# KiCad board EVT-PCB.kicad_pcb (continued)
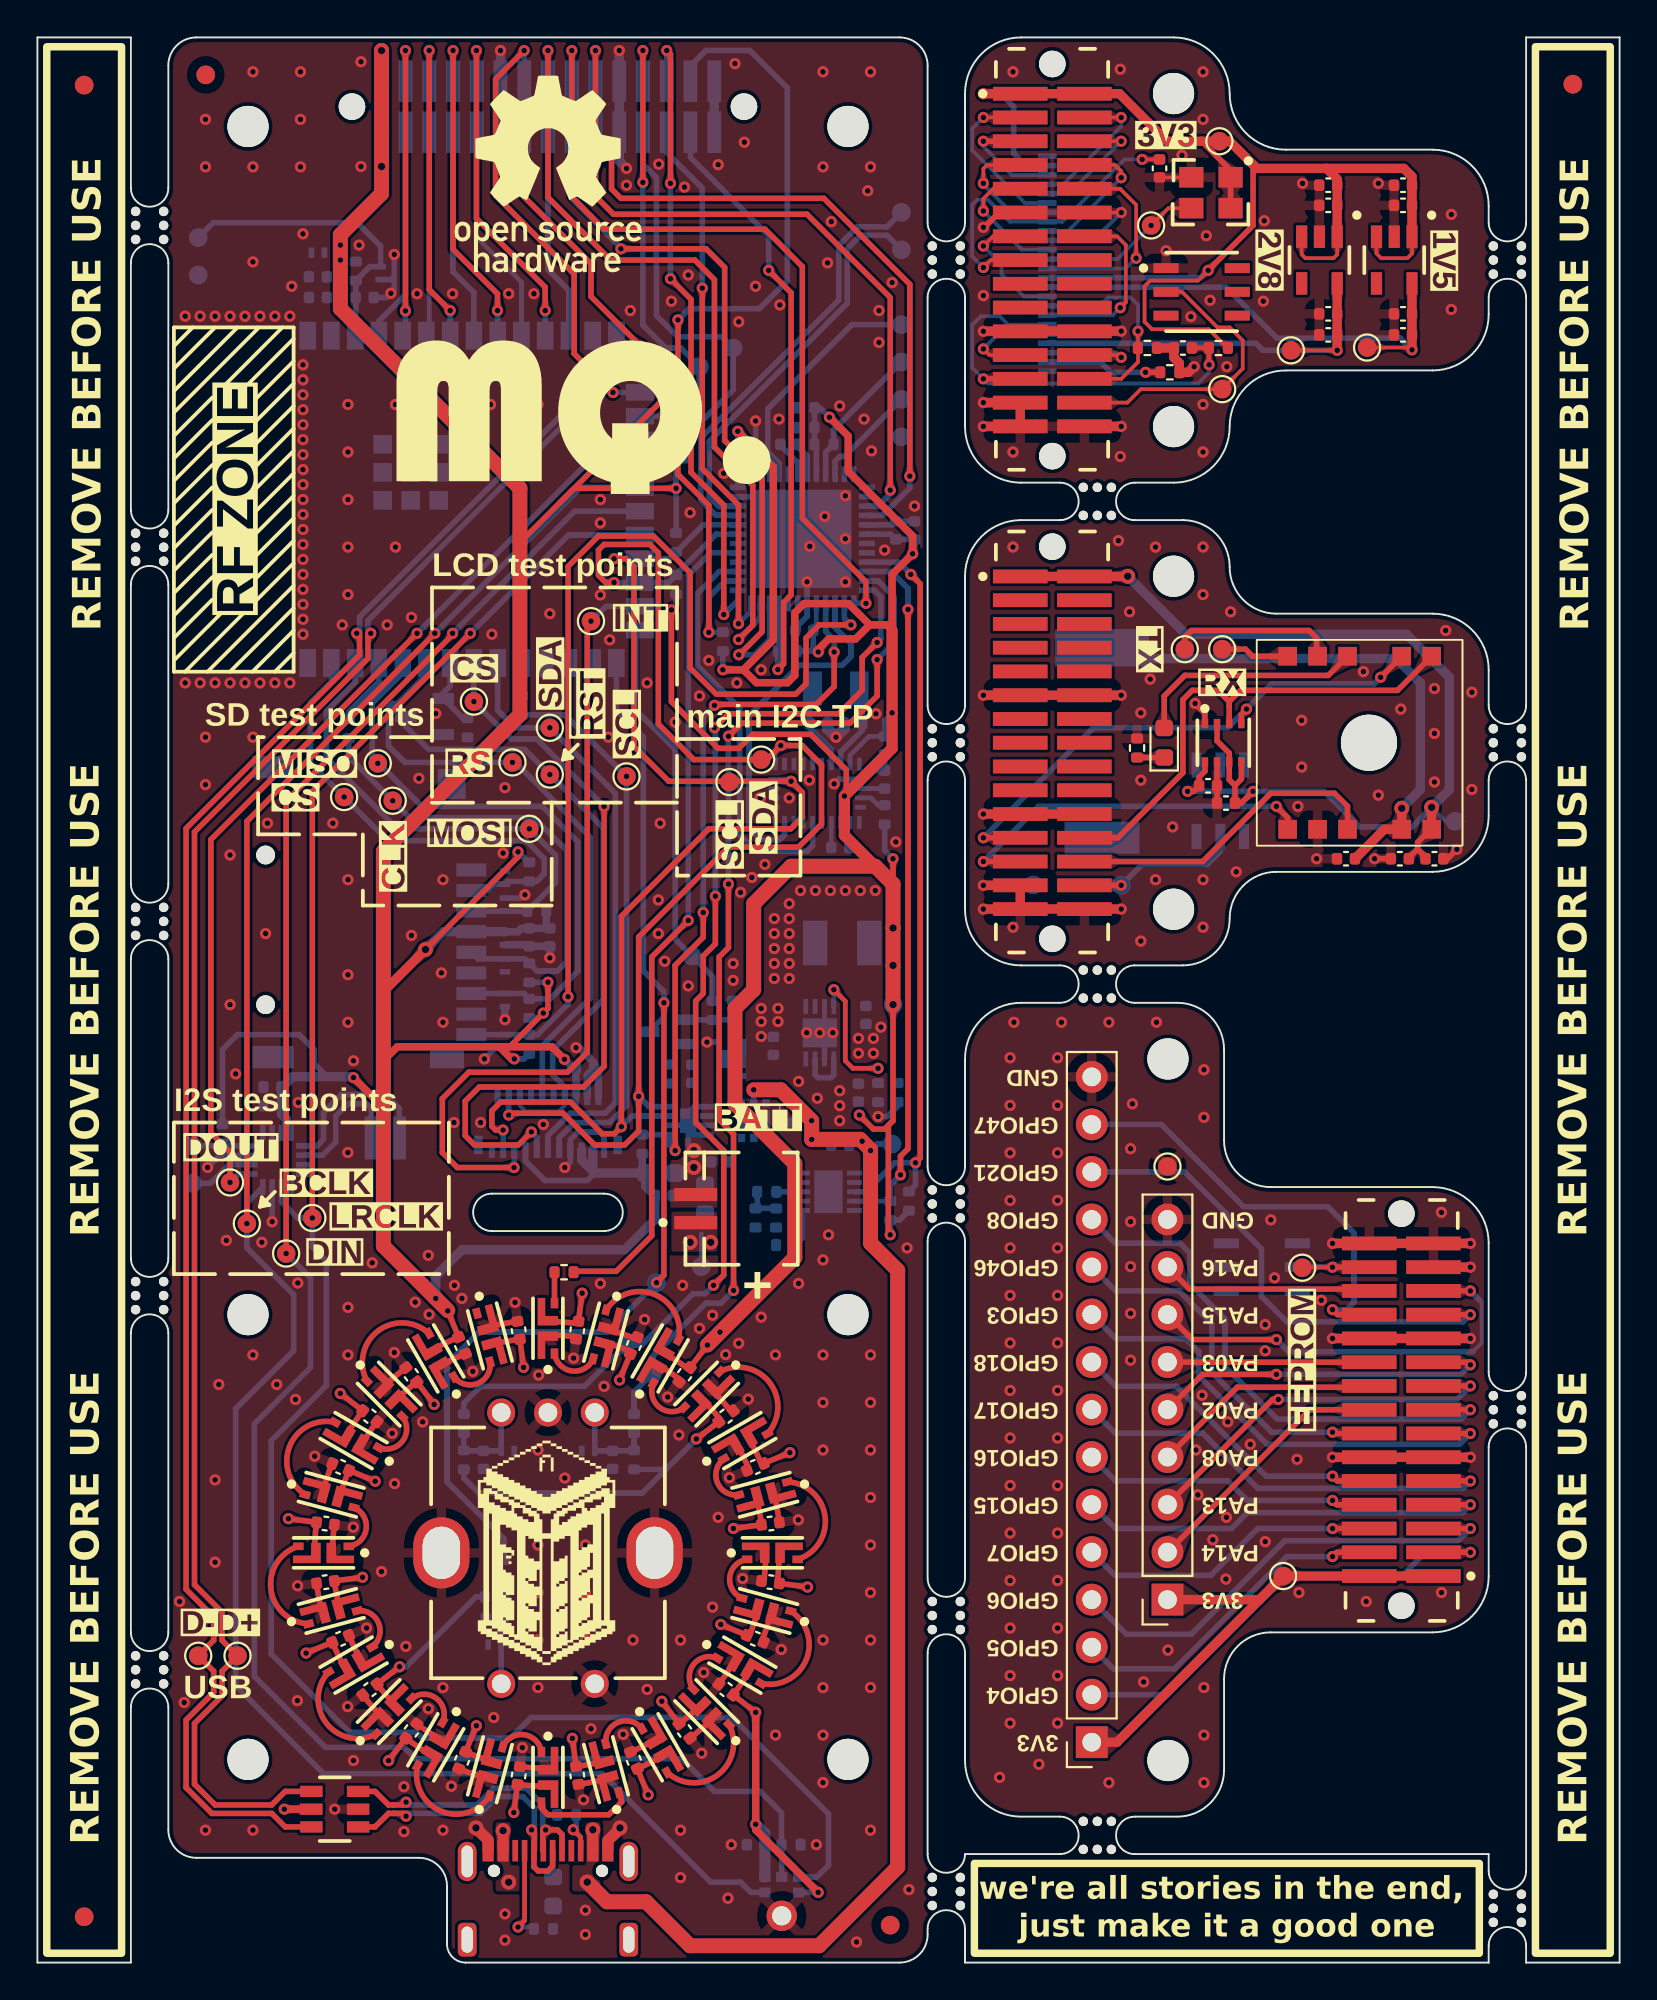
[diagram p0: board, top side]
## Library data of the parts
C201-C203 C301 C302 C304 C305 C401-C403 C501-C534 C601 C701 C703 C705 C801-C805 C901 C902 C1001 C1002 C1101-C1110 C1201-C1203 C1205 C1206 = -: Description: Unpolarized capacitor; ki_fp_filters: C_*
C303 = -: Datasheet: https://search.murata.co.jp/Ceramy/image/img/A01X/G101/ENG/GRM188R60J106ME47-01.pdf; Description: CAP CER 10UF 6.3V X5R 0603; Part Number: GRM188R60J106ME47D; MQ PN: TFGC001
C1204 = -: Datasheet: https://mm.digikey.com/Volume0/opasdata/d220001/medias/docus/875/DS%2CDSK.pdf; Description: CAP 220MF -20% +80% 3.3V SMD; MQ PN: TFGC002
D201 D202 D525-D527 D901-D906 = -: Datasheet: https://www.diodes.com/assets/Datasheets/DESD3V3S1BL.pdf; Description: TVS DIODE 3.3VWM 7VC DFN1006-2; MQ PN: TFGD004; ki_fp_filters: X1-DFN1006-2_RH_DIO X1-DFN1006-2_RH_DIO-M X1-DFN1006-2_RH_DIO-L
D301 = -: Datasheet: https://www.st.com/content/ccc/resource/technical/document/datasheet/06/1d/48/9c/6c/20/4a/b2/CD00050750.pdf/files/CD00050750.pdf/jcr:content/translations/en.CD00050750.pdf; Description: TVS DIODE 5.25VWM 17VC SOT23-6; MQ PN: TFGD006
D302 = -: Datasheet: https://www.onsemi.com/pdf/datasheet/bat54cwt1-d.pdf; Description: DIODE ARR SCHOT 30V 200MA SC70-3; MQ PN: TFGD005
D501-D524 = -: Datasheet: https://cdn-shop.adafruit.com/product-files/4892/4892_SK68XX-EC3210F__REV.A.pdf; MQ PN: TFGD001
D1201 = -: Description: Light emitting diode; ki_fp_filters: LED* LED_SMD:* LED_THT:*
E501 = -: Datasheet: https://www.bourns.com/docs/product-datasheets/pec11r.pdf?sfvrsn=bb617cbf_12; Description: ROTARY ENCODER MECHANICAL 24PPR; MQ PN: TFGE001
FID101-FID110 = -: Description: Fiducial Marker; ki_fp_filters: Fiducial*
H101-H106 H1101 H1102 H1201 H1202 H1301 H1302 = -: Description: Mounting Hole without connection; ki_fp_filters: MountingHole*
IC501 = -: Datasheet: https://ww1.microchip.com/downloads/en/DeviceDoc/SAM-D21-DA1-Family-Data-Sheet-DS40001882H.pdf; Description: IC MCU 32BIT 256KB FLASH 48QFN; MQ PN: TFGIC015
J101 = -: Datasheet: https://mm.digikey.com/Volume0/opasdata/d220001/medias/docus/6129/sfc-1xx-xx-xx-d-xx-mkt.pdf; Description: CONN RCPT 30POS 0.05 GOLD SMD; MQ PN: TFGJ006
J301 = -: Datasheet: https://mm.digikey.com/Volume0/opasdata/d220001/medias/docus/5492/USB4105.pdf; Description: CONN RCP USB2.0 TYP C 24P SMD RA; MQ PN: TFGJ004
J401 J1001 = -: Datasheet: https://www.jst-mfg.com/product/pdf/eng/eZH.pdf; Description: CONN HEADER SMD R/A 2POS 1.5MM; MQ PN: TFGJ009
J701 = -: Datasheet: https://www.te.com/usa-en/product-2-2328724-1.datasheet.pdf; Description: CONN FPC BOTTOM 21POS 0.3MM R/A; MQ PN: TFGJ002; ki_fp_filters: CONN21_2-2328724-1_TEC
J901 = -: Datasheet: https://www.cuidevices.com/product/resource/msd-1-a.pdf; Description: MICRO SD CARD CONNECTOR, 9 POSIT; MQ PN: TFGJ003
J1101 J1201 J1303 = -: Datasheet: https://suddendocs.samtec.com/catalog_english/tfc.pdf; Description: CONN HEADER SMD 30POS 1.27MM; MQ PN: TFGJ005
J1302 = -: Description: Generic connector, single row, 01x09, script generated (kicad-library-utils/schlib/autogen/connector/); ki_fp_filters: Connector*:*_1x??_*
J1304 = -: Description: Generic connector, single row, 01x15, script generated (kicad-library-utils/schlib/autogen/connector/); ki_fp_filters: Connector*:*_1x??_*
L301 = -: Datasheet: https://search.murata.co.jp/Ceramy/image/img/P02/JELF243A-0190.pdf; Description: FIXED IND 1.0UH 4300MA NONAUTO; Part Number: LQH44PN1R0MPRL; MQ PN: TFGL001; ki_fp_filters: IND_LQH44PN_PR_MUR IND_LQH44PN_PR_MUR-M IND_LQH44PN_PR_MUR-L
M601 = -: Datasheet: https://invensense.tdk.com/wp-content/uploads/2016/02/DS-000069-ICS-43434-v1.2.pdf?ref_disty=digikey; Description: MICROPHONE MEMS DIGITAL I2S OMNI; MQ PN: TFGM001
Q101 = -: Datasheet: https://www.diodes.com/assets/Datasheets/BSS138.pdf; Description: MOSFET N-CH 50V 200MA SOT23-3; MQ PN: TFGQ004
Q301 = -: Datasheet: https://www.vishay.com/docs/64162/sia527dj.pdf; Description: MOSFET N/P-CH 12V 4.5A SC70-6; MQ PN: TFGQ003
R101-R105 R107-R110 R201 R301-R306 R308 R309 R401-R407 R501-R508 R601 R801 R901-R905 R1001 R1101-R1103 R1201 = -: Description: Resistor; ki_fp_filters: R_*
TP101-TP123 TP201 TP202 TP301 TP401 TP501-TP508 TP1001 TP1002 TP1101-TP1104 TP1108 TP1202-TP1204 TP1209 TP1210 TP1301-TP1303 = -: Description: test point; ki_fp_filters: Pin* Test*
U201 = -: Datasheet: https://www.espressif.com/sites/default/files/documentation/esp32-s3-wroom-2_datasheet_en.pdf; Description: 32 MB Octal flash & 8 MB Octal PSRAM; MQ PN: TFGU002
U301 = -: Datasheet: http://www.onsemi.com/pub/Collateral/NTLJF3117P-D.PDF; Description: MOSFET P-CH 20V 2.3A 6WDFN; MQ PN: TFGQ001
U302 = -: Datasheet: https://www.onsemi.com/pdf/datasheet/ncp6324-d.pdf; Description: IC REG BUCK ADJ 2A 8WDFN; MQ PN: TFGIC002; ki_fp_filters: WDFN8_2X2_ONS WDFN8_2X2_ONS-M WDFN8_2X2_ONS-L
U401 = -: Datasheet: https://www.analog.com/MAX17048/datasheet; Description: IC BATT MON LI-ION 1CELL 8TDFN; MQ PN: TFGIC013
U402 = -: Datasheet: https://ww1.microchip.com/downloads/en/DeviceDoc/22005b.pdf; Description: IC BATT CONTRL LI-ION 1CEL 10DFN; MQ PN: TFGIC001
U801 = -: Datasheet: https://www.ceva-ip.com/wp-content/uploads/2019/10/BNO080_085-Datasheet.pdf; Description: IMU ACCEL/GYRO/MAG I2C 32BIT; MQ PN: TFGIC004
U1001 = -: Datasheet: https://datasheets.maximintegrated.com/en/ds/MAX98357A-MAX98357B.pdf; Description: IC AMP CLASS D MONO 3.2W 16TQFN; MQ PN: TFGIC005
U1101 = -: Datasheet: https://www.ti.com/lit/ds/symlink/tlv743p.pdf?HQS=dis-dk-null-digikeymode-dsf-pf-null-wwe&ts=1710761150043&ref_url=https%253A%252F%252Fwww.ti.com%252Fgeneral%252Fdocs%252Fsuppproductinfo.tsp%253FdistId%253D10%2526gotoUrl%253Dhttps%253A%252F%252Fwww.ti.com%252Flit%252Fgpn%252Ftlv743p; Description: IC REG LINEAR 2.8V 300MA SOT23-5; MQ PN: TFGIC007
U1102 = -: Datasheet: https://cdn-learn.adafruit.com/assets/assets/000/118/306/original/ov5640_datasheet.pdf?1675869959; Description: OV5640 5M SENSOR, AUTO FOCUSING; MQ PN: TFGIC006
U1103 = -: Datasheet: https://www.ti.com/general/docs/suppproductinfo.tsp?distId=10&gotoUrl=https%3A%2F%2Fwww.ti.com%2Flit%2Fgpn%2Ftlv743p; Description: IC REG LINEAR 1.5V 300MA SOT23-5; MQ PN: TFGIC008
U1104 U1203 U1301 = -: Datasheet: https://www.analog.com/media/en/technical-documentation/data-sheets/DS28E07.pdf; Description: IC EEPROM 1KBIT 1-WIRE 6TSOC; MQ PN: TFGIC003; ki_fp_filters: 21-0382_D6+1_MXM 21-0382_D6+1_MXM-M 21-0382_D6+1_MXM-L
U1201 = -: Datasheet: https://cdn-learn.adafruit.com/assets/assets/000/084/295/original/CD_PA1010D_Datasheet_v.03.pdf?1573833002; Description: GPS; MQ PN: TFGIC009
U1202 = -: Datasheet: https://www.bosch-sensortec.com/media/boschsensortec/downloads/datasheets/bst-bme280-ds002.pdf; Description: SENSOR PRESSURE HUMIDITY TEMP; MQ PN: TFGIC010
X801 = -: Datasheet: http://www.txccrystal.com/images/pdf/9ht10.pdf; Description: CRYSTAL 32.7680KHZ 12.5PF SMD; MQ PN: TFGX001
X1101 = -: Datasheet: https://abracon.com/Oscillators/ASEseries.pdf; Description: XTAL OSC XO 24.0000MHZ CMOS SMD; MQ PN: TFGX002

## Footprints (pads in the part's own frame, mm; a bottom-side part is the same pattern mirrored in y, then rotated)
2-2328724-1
  rect 0.33x0.838 smd: 1(3,1.104) 2(2.7,-1.721) 3(2.4,1.104) 4(2.1,-1.721) 5(1.8,1.104) 6(1.5,-1.721) 7(1.2,1.104) 8(0.9,-1.721) 9(0.6,1.104) 10(0.3,-1.721) 11(0,1.104) 12(-0.3,-1.721) 13(-0.6,1.104) 14(-0.9,-1.721) 15(-1.2,1.104) 16(-1.5,-1.721) 17(-1.8,1.104) 18(-2.1,-1.721) 19(-2.4,1.104) 20(-2.7,-1.721) 21(-3,1.104)
  rect 0.457x0.991 smd: 22(3.725,0.828) 23(-3.725,0.828)
9HT1032768KEZFT
  rect 1x1.8 smd: 1(-1.25,0) 2(1.25,0)
ASE24576MHZLCT
  rect 1.3x1.1 smd: 1(-1.05,-0.825) 2(1.05,-0.825) 3(1.05,0.825) 4(-1.05,0.825)
ATSAMD21G18A-MUT
  rect 0.85x0.3 smd: 1(-3.45,2.75) 2(-3.45,2.25) 3(-3.45,1.75) 4(-3.45,1.25) 5(-3.45,0.75) 6(-3.45,0.25) 7(-3.45,-0.25) 8(-3.45,-0.75) 9(-3.45,-1.25) 10(-3.45,-1.75) 11(-3.45,-2.25) 12(-3.45,-2.75) 25(3.45,-2.75) 26(3.45,-2.25) 27(3.45,-1.75) 28(3.45,-1.25) 29(3.45,-0.75) 30(3.45,-0.25) 31(3.45,0.25) 32(3.45,0.75) 33(3.45,1.25) 34(3.45,1.75) 35(3.45,2.25) 36(3.45,2.75)
  rect 0.3x0.85 smd: 13(-2.75,-3.45) 14(-2.25,-3.45) 15(-1.75,-3.45) 16(-1.25,-3.45) 17(-0.75,-3.45) 18(-0.25,-3.45) 19(0.25,-3.45) 20(0.75,-3.45) 21(1.25,-3.45) 22(1.75,-3.45) 23(2.25,-3.45) 24(2.75,-3.45) 37(2.75,3.45) 38(2.25,3.45) 39(1.75,3.45) 40(1.25,3.45) 41(0.75,3.45) 42(0.25,3.45) 43(-0.25,3.45) 44(-0.75,3.45) 45(-1.25,3.45) 46(-1.75,3.45) 47(-2.25,3.45) 48(-2.75,3.45)
  rect 5.25x5.25 smd: 49(0,0)
BAT54CWT1G
  rect 1.15x0.55 smd: A1(-1,0.65) A2(-1,-0.65) K(1,0)
BME280
  rect 0.5x0.35 smd: 1(1.025,0.975) 2(1.025,0.325) 3(1.025,-0.325) 4(1.025,-0.975) 5(-1.025,-0.975) 6(-1.025,-0.325) 7(-1.025,0.325) 8(-1.025,0.975)
BNO085
  rect 0.675x0.25 smd: 1(1.563,2.25) 6(-1.563,2.25) 7(-1.563,1.75) 8(-1.563,1.25) 9(-1.563,0.75) 10(-1.563,0.25) 11(-1.563,-0.25) 12(-1.563,-0.75) 13(-1.563,-1.25) 14(-1.563,-1.75) 15(-1.563,-2.25) 20(1.563,-2.25) 21(1.563,-1.75) 22(1.563,-1.25) 23(1.563,-0.75) 24(1.563,-0.25) 25(1.563,0.25) 26(1.563,0.75) 27(1.563,1.25) 28(1.563,1.75)
  rect 0.25x0.575 smd: 2(0.75,2.313) 3(0.25,2.313) 4(-0.25,2.313) 5(-0.75,2.313) 16(-0.75,-2.313) 17(-0.25,-2.313) 18(0.25,-2.313) 19(0.75,-2.313)
BSS138-7-F
  rect 1.15x0.6 smd: D(1.1,0) G(-0.9,0.96) S(-0.9,-0.96)
C_0402_1005Metric
  rrect 0.56x0.62 smd: 1(-0.48,0) 2(0.48,0)
C_0603_1608Metric
  rrect 0.9x0.95 smd: 1(-0.775,0) 2(0.775,0)
DESD3V3S1BL-7B
  rect 0.305x0.559 smd: 1(-0.348,0) 2(0.348,0)
DS28E07P+
  rect 1.346x0.533 smd: 1(-1.905,1.27) 2(-1.905,0) 3(-1.905,-1.27) 4(1.905,-1.27) 5(1.905,0) 6(1.905,1.27)
DSK-3R3H224U-HL
  rect 5x2 smd: 1(0,5.075)
  rect 4x1.7 smd: 2(0,-5.075)
ESP32-S3-WROOM-2
  rect 1.499x0.889 smd: 1(-8.75,0) 2(-8.75,-1.27) 3(-8.75,-2.54) 4(-8.75,-3.81) 5(-8.75,-5.08) 6(-8.75,-6.35) 7(-8.75,-7.62) 8(-8.75,-8.89) 9(-8.75,-10.16) 10(-8.75,-11.43) 11(-8.75,-12.7) 12(-8.75,-13.97) 13(-8.75,-15.24) 14(-8.75,-16.51) 27(8.75,-16.51) 28(8.75,-15.24) 29(8.75,-13.97) 30(8.75,-12.7) 31(8.75,-11.43) 32(8.75,-10.16) 33(8.75,-8.89) 34(8.75,-7.62) 35(8.75,-6.35) 36(8.75,-5.08) 37(8.75,-3.81) 38(8.75,-2.54) 39(8.75,-1.27) 40(8.75,0)
  rect 0.889x1.499 smd: 15(-6.985,-17.76) 16(-5.715,-17.76) 17(-4.445,-17.76) 18(-3.175,-17.76) 19(-1.905,-17.76) 20(-0.635,-17.76) 21(0.635,-17.76) 22(1.905,-17.76) 23(3.175,-17.76) 24(4.445,-17.76) 25(5.715,-17.76) 26(6.985,-17.76)
  rect 0.991x0.991 smd: 41(-2.94,-7.004) 41(-2.94,-5.504) 41(-2.94,-4.004) 41(-1.44,-7.004) 41(-1.44,-5.504) 41(-1.44,-4.004) 41(0.06,-7.004) 41(0.06,-5.504) 41(0.06,-4.004)
FD5640
  rect 2x1.3 smd: (-8.05,-15) (8.05,-15)
  rect 7.5x7.5 smd: (0,0)
  rect 0.3x1 smd: 1(-5.95,-17.7) 2(-5.45,-17.7) 3(-4.95,-17.7) 4(-4.45,-17.7) 5(-3.95,-17.7) 6(-3.45,-17.7) 7(-2.95,-17.7) 8(-2.45,-17.7) 9(-1.95,-17.7) 10(-1.45,-17.7) 11(-0.95,-17.7) 12(-0.45,-17.7) 13(0.05,-17.7) 14(0.55,-17.7) 15(1.05,-17.7) 16(1.55,-17.7) 17(2.05,-17.7) 18(2.55,-17.7) 19(3.05,-17.7) 20(3.55,-17.7) 21(4.05,-17.7) 22(4.55,-17.7) 23(5.05,-17.7) 24(5.55,-17.7)
Fiducial_1mm_Mask2mm
  round 1 smd: (0,0)
ICS-43434
  rect 0.522x0.6 smd: 1(-1.364,-0.9) 2(-0.542,-0.9) 4(-0.542,0.9) 5(-1.364,0.9) 6(-1.364,0)
  round 1.625 hole 1.025: 3(0.71,0)
LED_0603_1608Metric
  rrect 0.875x0.95 smd: 1(-0.787,0) 2(0.787,0)
LQH44PN1R0MPRL
  rect 1.295x2.388 smd: 1(-1.448,0) 2(1.448,0)
MAX17048G+T10
  rect 0.75x0.3 smd: 1(-1,0.75) 2(-1,0.25) 3(-1,-0.25) 4(-1,-0.75) 5(1,-0.75) 6(1,-0.25) 7(1,0.25) 8(1,0.75)
  rect 0.9x1.3 smd: 9(0,0)
MAX98357AETE+T
  rect 1.25x1.25 smd: (0,0)
  rect 0.85x0.3 smd: 1(-1.45,0.75) 2(-1.45,0.25) 3(-1.45,-0.25) 4(-1.45,-0.75) 9(1.45,-0.75) 10(1.45,-0.25) 11(1.45,0.25) 12(1.45,0.75)
  rect 0.3x0.85 smd: 5(-0.75,-1.45) 6(-0.25,-1.45) 7(0.25,-1.45) 8(0.75,-1.45) 13(0.75,1.45) 14(0.25,1.45) 15(-0.25,1.45) 16(-0.75,1.45)
MCP73833T
  rect 0.813x0.254 smd: 1(-1.397,1) 2(-1.397,0.5) 3(-1.397,0) 4(-1.397,-0.5) 5(-1.397,-1) 6(1.397,-1) 7(1.397,-0.5) 8(1.397,0) 9(1.397,0.5) 10(1.397,1)
  rect 1.524x2.286 smd: 11(0,0)
MountingHole_2.2mm_M2
  round 2.2 hole 2.2 unplated: (0,0)
mouse-bite-2mm-slot
  round 0.5 hole 0.5 unplated: (-0.75,0.75) (-0.75,-0.75) (0,0.75) (0,-0.75) (0.75,0.75) (0.75,-0.75)
MSD1A
  round 1 hole 1 unplated: (-4.95,-3.5) (3.05,-3.5)
  rect 0.7x1.6 smd: 1(2.25,7.5) 2(1.15,7.5) 3(0.05,7.5) 4(-1.05,7.5) 5(-2.15,7.5) 6(-3.25,7.5) 7(-4.35,7.5) 8(-5.45,7.5) CD1(-6.55,7.5)
  rect 1.2x2.2 smd: MP1(7.75,-3.1) MP2(-7.75,-3.1)
  rect 1.6x1.5 smd: MP3(6.85,6.45)
  rect 1.2x1.8 smd: MP4(-7.75,6.2)
NCV6324BMTAATBG
  rect 0.813x0.254 smd: 1(-1.397,0.75) 2(-1.397,0.25) 3(-1.397,-0.25) 4(-1.397,-0.75) 5(1.397,-0.75) 6(1.397,-0.25) 7(1.397,0.25) 8(1.397,0.75)
  rect 1.549x1.829 smd: 9(0,0)
NTLJF3117PT1G
  rect 0.39x0.45 smd: 1(-0.65,-0.925) 2(0,-0.925) 3(0.65,-0.925) 4(0.65,0.925) 5(0,0.925) 6(-0.65,0.925)
  rect 0.82x1.1 smd: 7(-0.49,0) 8(0.49,0)
PA1010D
  round 3 hole 3 unplated: (0,0.5)
  rect 1x1 smd: 1(-4.625,3.85) 2(-4.625,2.25) 3(-4.625,-0.65) 4(-4.625,-2.25) 5(-4.625,-3.85) 6(4.625,-3.85) 7(4.625,-2.25) 8(4.625,-0.65) 9(4.625,2.25) 10(4.625,3.85)
PEC11R-4215F-S0024
  round 1.5 hole 1: 1(-2.5,7) 2(2.5,7) A1(-2.5,-7.5) B1(2.5,-7.5) C1(0,-7.5)
  oval 3x3.8 hole 2x2.8: MH1(-5.7,0) MH2(5.7,0)
PinSocket_1x09_P2.54mm_Vertical
  rect 1.7x1.7 hole 1: 1(0,0)
  oval 1.7x1.7 hole 1: 2(0,-2.54) 3(0,-5.08) 4(0,-7.62) 5(0,-10.16) 6(0,-12.7) 7(0,-15.24) 8(0,-17.78) 9(0,-20.32)
PinSocket_1x15_P2.54mm_Vertical
  rect 1.7x1.7 hole 1: 1(0,0)
  oval 1.7x1.7 hole 1: 2(0,-2.54) 3(0,-5.08) 4(0,-7.62) 5(0,-10.16) 6(0,-12.7) 7(0,-15.24) 8(0,-17.78) 9(0,-20.32) 10(0,-22.86) 11(0,-25.4) 12(0,-27.94) 13(0,-30.48) 14(0,-33.02) 15(0,-35.56)
R_0402_1005Metric
  rrect 0.54x0.64 smd: 1(-0.51,0) 2(0.51,0)
S2B-ZR-SM4A-TF
  rect 1.1x1.9 smd: (-2.7,1.05) (2.7,1.05)
  rect 0.7x2.3 smd: 1(0.75,-2.45) 2(-0.75,-2.45)
SFC-115-T2-F-D-A
  round 1.42 hole 1.42 unplated: (-10.48,0) (10.48,0)
  rect 0.74x2.22 smd: 01(8.89,-1.365) 02(8.89,1.365) 03(7.62,-1.365) 04(7.62,1.365) 05(6.35,-1.365) 06(6.35,1.365) 07(5.08,-1.365) 08(5.08,1.365) 09(3.81,-1.365) 10(3.81,1.365) 11(2.54,-1.365) 12(2.54,1.365) 13(1.27,-1.365) 14(1.27,1.365) 15(0,-1.365) 16(0,1.365) 17(-1.27,-1.365) 18(-1.27,1.365) 19(-2.54,-1.365) 20(-2.54,1.365) 21(-3.81,-1.365) 22(-3.81,1.365) 23(-5.08,-1.365) 24(-5.08,1.365) 25(-6.35,-1.365) 26(-6.35,1.365) 27(-7.62,-1.365) 28(-7.62,1.365) 29(-8.89,-1.365) 30(-8.89,1.365)
SIA527DJ-T1-GE3
  rect 0.3x0.325 smd: D1(-0.65,0.913) D2(0.65,-0.912) G1(0,-0.912) G2(0,0.913) S1(-0.65,-0.912) S2(0.65,0.913)
  rect 0.613x0.95 smd: D1(-0.466,0) D2(0.466,0)
SK68XX-EC3210F
  custom 1.473x1.092 smd: 1(-0.361,0.249) 4(0.359,0.247)
  rect 0.559x0.406 smd: 2(-1.35,-0.349) 3(1.35,-0.349)
TestPoint_Pad_D1.0mm
  round 1 smd: 1(0,0)
TFC-115-02-F-D-A
  round 1.42 hole 1.42 unplated: (-10.48,0) (10.48,0)
  rect 0.74x2.92 smd: 01(-8.89,-1.715) 02(-8.89,1.715) 03(-7.62,-1.715) 04(-7.62,1.715) 05(-6.35,-1.715) 06(-6.35,1.715) 07(-5.08,-1.715) 08(-5.08,1.715) 09(-3.81,-1.715) 10(-3.81,1.715) 11(-2.54,-1.715) 12(-2.54,1.715) 13(-1.27,-1.715) 14(-1.27,1.715) 15(0,-1.715) 16(0,1.715) 17(1.27,-1.715) 18(1.27,1.715) 19(2.54,-1.715) 20(2.54,1.715) 21(3.81,-1.715) 22(3.81,1.715) 23(5.08,-1.715) 24(5.08,1.715) 25(6.35,-1.715) 26(6.35,1.715) 27(7.62,-1.715) 28(7.62,1.715) 29(8.89,-1.715) 30(8.89,1.715)
TLV74315PDBVR
  rect 1.2x0.6 smd: 1(-1.25,0.95) 2(-1.25,0) 3(-1.25,-0.95) 4(1.25,-0.95) 5(1.25,0.95)
TLV74328PDBVR
  rect 1.2x0.6 smd: 1(-1.25,0.95) 2(-1.25,0) 3(-1.25,-0.95) 4(1.25,-0.95) 5(1.25,0.95)
USB4105-GF-A
  round 0.65 hole 0.65 unplated: (-2.89,2.605) (2.89,2.605)
  rect 0.6x1.15 smd: A1_B12(-3.2,3.68) A4_B9(-2.4,3.68) B1_A12(3.2,3.68) B4_A9(2.4,3.68)
  rect 0.3x1.15 smd: A5(-1.25,3.68) A6(-0.25,3.68) A7(0.25,3.68) A8(1.25,3.68) B5(1.75,3.68) B6(0.75,3.68) B7(-0.75,3.68) B8(-1.75,3.68)
  oval 1x2.1 hole 0.6x1.7: SH1(-4.32,3.105) SH2(4.32,3.105)
  rrect 1x1.8 hole 0.6x1.4: SH3(-4.32,-1.075) SH4(4.32,-1.075)
USBLC6-2SC6
  rect 1.2x0.6 smd: 1(-1.25,0.95) 2(-1.25,0) 3(-1.25,-0.95) 4(1.25,-0.95) 5(1.25,0) 6(1.25,0.95)

## Nets
+1V5: C1109.1 C1110.1 TP1103.1 U1102.10 U1103.5
+2V8: C1104.1 C1105.1 TP1101.1 U1101.5 U1102.4
+3V3: C201.1 C202.1 C302.1 C303.1 C501.1 C502.1 C504.1 C505.1 C506.1 C507.1 C508.1 C509.1 C510.1 C511.1 C512.1 C513.1 C514.1 C515.1 C516.1 C517.1 C518.1 C519.1 C520.1 C521.1 C522.1 C523.1 C524.1 C525.1 C526.1 C527.1 C529.1 C530.1 C531.1 C532.1 C601.1 C701.1 C703.1 C705.1 C802.1 C803.1 C901.1 C902.1 C1001.1 C1002.1 C1102.1 C1103.1 C1107.1 C1108.1 C1201.1 C1202.1 C1205.1 C1206.1 D201.1 D501.4 D502.4 D503.4 D504.4 D505.4 D506.4 D507.4 D508.4 D509.4 D510.4 D511.4 D512.4 D513.4 D514.4 D515.4 D516.4 D517.4 D518.4 D519.4 D520.4 D521.4 D522.4 D523.4 D524.4 D901.1 IC501.6 IC501.17 IC501.36 IC501.44 J101.01 J101.02 J701.3 J701.5 J701.6 J701.15 J901.4 J1101.01 J1101.02 J1201.01 J1201.02 J1302.1 J1303.01 J1303.02 J1304.1 L301.2 M601.2 M601.5 R101.1 R102.1 R103.1 R104.1 R107.1 R108.1 R201.1 R304.1 R402.1 R403.1 R404.1 R501.1 R506.2 R507.2 R508.2 R801.1 R901.1 R902.1 R903.1 R904.1 R905.1 R1001.1 R1101.1 TP105.1 TP1104.1 TP1204.1 TP1301.1 U201.2 U801.3 U801.28 U1001.7 U1001.8 U1101.1 U1101.3 U1102.11 U1102.23 U1103.1 U1103.3 U1201.10 U1202.2 U1202.5 U1202.6 U1202.8 X1101.1 X1101.4
+5V: C301.1 C402.1 D301.5 J301.A4_B9 J301.B4_A9 R301.1 TP301.1 U301.1 U301.5 U402.1 U402.2
GND: C201.2 C202.2 C203.2 C301.2 C303.2 C304.2 C401.2 C402.2 C403.2 C501.2 C502.2 C503.2 C504.2 C505.2 C506.2 C507.2 C508.2 C509.2 C510.2 C511.2 C512.2 C513.2 C514.2 C515.2 C516.2 C517.2 C518.2 C519.2 C520.2 C521.2 C522.2 C523.2 C524.2 C525.2 C526.2 C527.2 C528.2 C529.2 C530.2 C531.2 C532.2 C533.2 C534.2 C601.2 C701.2 C703.2 C705.2 C801.2 C802.2 C803.2 C804.2 C805.2 C901.2 C902.2 C1001.2 C1002.2 C1101.2 C1102.2 C1103.2 C1104.2 C1105.2 C1106.2 C1107.2 C1108.2 C1109.2 C1110.2 C1201.2 C1202.2 C1203.2 C1204.2 C1205.2 C1206.2 D201.2 D202.2 D301.2 D501.1 D502.1 D503.1 D504.1 D505.1 D506.1 D507.1 D508.1 D509.1 D510.1 D511.1 D512.1 D513.1 D514.1 D515.1 D516.1 D517.1 D518.1 D519.1 D520.1 D521.1 D522.1 D523.1 D524.1 D525.2 D526.2 D527.2 D901.2 D902.2 D903.2 D904.2 D905.2 D906.2 E501.1 E501.C1 E501.MH1 E501.MH2 IC501.5 IC501.18 IC501.35 IC501.42 IC501.49 J101.11 J101.12 J101.21 J101.22 J101.29 J101.30 J301.A1_B12 J301.B1_A12 J401.2 J701.1 J701.2 J701.4 J701.7 J701.14 J701.20 J701.21 J901.6 J1101.11 J1101.12 J1101.21 J1101.22 J1101.27 J1101.29 J1101.30 J1201.11 J1201.12 J1201.21 J1201.22 J1201.27 J1201.29 J1201.30 J1302.9 J1303.11 J1303.12 J1303.21 J1303.22 J1303.27 J1303.29 J1303.30 J1304.15 M601.3 Q101.S Q301.S1 R105.2 R301.2 R302.2 R303.2 R305.2 R309.2 R401.1 R406.2 R407.2 R601.2 R1102.1 R1103.1 R1201.1 TP202.1 TP508.1 TP1209.1 TP1302.1 U201.1 U201.40 U201.41 U302.1 U302.3 U302.6 U302.9 U401.1 U401.4 U401.6 U401.9 U402.5 U402.11 U801.2 U801.5 U801.6 U801.10 U801.17 U801.25 U1001.3 U1001.11 U1001.15 U1101.2 U1102.15 U1103.2 U1104.1 U1201.7 U1202.1 U1202.7 U1203.1 U1301.1 X1101.2
GNDA: R1103.2 U1102.2
VBUS: C304.1 Q301.D2 U302.5 U302.7 U302.8
+BATT: C401.1 C403.1 J401.1 TP401.1 U301.3 U301.8 U401.2 U401.3 U402.9 U402.10
/BATM_INT: IC501.16 R402.2 U401.5
/BATM_STAT1: IC501.9 R403.2 U402.3
/BATM_STAT2: IC501.10 R404.2 U402.4
/Camera Module/DATA0: U1102.24
/Camera Module/DATA2: J1101.03 U1102.19
/Camera Module/DATA3: J1101.04 U1102.21
/Camera Module/DATA4: J1101.05 U1102.22
/Camera Module/DATA5: J1101.06 U1102.20
/Camera Module/DATA6: J1101.07 U1102.18
/Camera Module/DATA7: J1101.08 U1102.16
/Camera Module/DATA8: J1101.09 U1102.14
/Camera Module/DATA9: J1101.10 U1102.12
/Camera Module/EEPROM: J1101.28 TP1108.1 U1104.2
/Camera Module/HSYNC: J1101.13 U1102.9
/Camera Module/PCLK: C1101.1 J1101.15 U1102.17
/Camera Module/PWDN: J1101.26 R1102.2 U1102.8
/Camera Module/SCL: J1101.23 U1102.5
/Camera Module/SDA: J1101.24 U1102.3
/Camera Module/VSYNC: J1101.14 U1102.7
/Camera Module/~{RESET}: C1106.1 J1101.25 R1101.2 U1102.6
/Dev Module/ATSAMD_IO11: J1302.2 J1303.16
/Dev Module/ATSAMD_IO12: J1302.3 J1303.17
/Dev Module/ATSAMD_IO13: J1302.4 J1303.18
/Dev Module/ATSAMD_IO14: J1302.5 J1303.19
/Dev Module/ATSAMD_IO15: J1302.6 J1303.20
/Dev Module/ATSAMD_IO16: J1302.7 J1303.25
/Dev Module/ATSAMD_IO17: J1302.8 J1303.26
/Dev Module/EEPROM: J1303.28 TP1303.1 U1301.2
/Dev Module/ESP32_IO0: J1303.03 J1304.2
/Dev Module/ESP32_IO1: J1303.04 J1304.3
/Dev Module/ESP32_IO2: J1303.05 J1304.4
/Dev Module/ESP32_IO3: J1303.06 J1304.5
/Dev Module/ESP32_IO4: J1303.07 J1304.6
/Dev Module/ESP32_IO5: J1303.08 J1304.7
/Dev Module/ESP32_IO6: J1303.09 J1304.8
/Dev Module/ESP32_IO7: J1303.10 J1304.9
/Dev Module/ESP32_IO8: J1303.13 J1304.10
/Dev Module/ESP32_IO9: J1303.14 J1304.11
/Dev Module/ESP32_IO10: J1303.15 J1304.12
/Dev Module/SCL: J1303.23 J1304.13
/Dev Module/SDA: J1303.24 J1304.14
/ESP32-S3-WROOM-2/GPIO38: R109.2 U201.31
/ESP32-S3-WROOM-2/GPIO43/TXD0: R110.2 U201.37
/ESP32-S3-WROOM-2/MCU_RST: C203.1 D202.1 R201.2 TP201.1 U201.3
/I2S_BCLK: M601.4 TP109.1 U201.20 U1001.16
/I2S_DIN: M601.6 R601.1 TP110.1 U201.21
/I2S_DOUT: TP108.1 U201.19 U1001.1
/I2S_LRCLK: M601.1 TP111.1 U201.22 U1001.14
/IMU/IMU_XIN: C804.1 U801.27 X801.1
/IMU/IMU_XOUT: C805.1 U801.26 X801.2
/IMU_INT: IC501.15 U801.14
/IMU_RST: IC501.27 U801.11
/LCD/LCD_TE: J701.10
/LCD_CS: J701.13 TP117.1 U201.33
/LCD_RESET: Q101.G R105.1 U201.34
/LCD_RS: J701.12 TP119.1 U201.35
/LCD_SCL: J701.9 R109.1 TP115.1
/LCD_SDA: J701.11 TP116.1 U201.32
/LEAT/D+: IC501.34 TP503.1
/LEAT/D-: IC501.33 TP502.1
/LEAT/LEAT_ENC_A: IC501.11 R504.2 TP506.1
/LEAT/LEAT_ENC_B: IC501.12 R505.2 TP507.1
/LEAT/NEOPIXEL: IC501.29 R502.1
/LEAT/SWCLK: IC501.45 R501.2 TP504.1
/LEAT/SWDIO: IC501.46 TP505.1
/LEAT/~{RESET}: IC501.40 TP501.1
/LEAT_ENC_SW: D302.K R503.2 TP114.1 U201.27
/MAIN_SCL: IC501.32 J701.19 R101.2 TP101.1 U201.23 U401.7 U801.19
/MAIN_SDA: IC501.31 J701.18 R102.2 TP102.1 U201.24 U401.8 U801.20
/MAX98357/MAX_OUTN: J1001.2 U1001.10
/MAX98357/MAX_OUTP: J1001.1 U1001.9
/MAX98357/MAX_SD: R1001.2 TP1002.1 U1001.4
/MOD_DET: IC501.21 J101.27 R108.2
/MOD_EEPROM: IC501.26 J101.28 R107.2
/MOD_IO0: J101.03 U201.4
/MOD_IO1: J101.04 U201.5
/MOD_IO2: J101.05 U201.6
/MOD_IO3: J101.06 U201.7
/MOD_IO4: J101.07 U201.8
/MOD_IO5: J101.08 U201.9
/MOD_IO6: J101.09 U201.10
/MOD_IO7: J101.10 U201.11
/MOD_IO8: J101.13 U201.15
/MOD_IO9: J101.14 U201.16
/MOD_IO10: J101.15 U201.12
/MOD_IO11: IC501.23 J101.16
/MOD_IO12: IC501.22 J101.17
/MOD_IO13: IC501.13 J101.18
/MOD_IO14: IC501.3 J101.19
/MOD_IO15: IC501.4 J101.20
/MOD_PWDN: IC501.25 J101.26
/MOD_RESET: IC501.24 J101.25
/MOD_SCL: J101.23 R103.2 TP103.1 U201.18
/MOD_SDA: J101.24 R104.2 TP104.1 U201.17
/Mountain Module/EEPROM: J1201.28 TP1210.1 U1203.2
/Mountain Module/SCL: J1201.23 U1201.2 U1202.4
/Mountain Module/SDA: J1201.24 U1201.1 U1202.3
/Mountain Module/WAKEUP: J1201.26 U1201.8
/Mountain Module/~{RESET}: J1201.25 U1201.6
/PWR_CTRL: R308.2 TP113.1 U201.26
/SD_CARDDET: D902.1 IC501.14 J901.CD1 R901.2
/SD_CLK: D903.1 J901.5 R110.1 R902.2 TP123.1
/SD_CS: D906.1 J901.2 R905.2 TP121.1 U201.39
/SD_MISO: D905.1 J901.7 R904.2 TP120.1 U201.36
/SD_MOSI: D904.1 J901.3 R903.2 TP122.1 U201.38
/Supply/BUCK_FB: C302.2 R304.2 R305.1 U302.4
/Supply/BUCK_SW: L301.1 U302.2
/Supply/USBC_D+: D301.3 J301.A6 J301.B6
/Supply/USBC_D-: D301.1 J301.A7 J301.B7
/TP_INT: J701.17 TP112.1 U201.25
/USB_D+: D301.4 TP107.1 U201.14
/USB_D-: D301.6 TP106.1 U201.13
/~{LCD_RESET}: J701.8 J701.16 Q101.D TP118.1
VDC: C305.1 Q301.S2 R306.2 U301.4 U301.6 U301.7
Net-(C305-Pad2): C305.2 D302.A2 Q301.D1 Q301.G2 R306.1
Net-(D302-PadA1): D302.A1 Q301.G1 R308.1 R309.1
Net-(D501-DIN): D501.3 R502.2
Net-(D501-DOUT): D501.2 D502.3
Net-(D502-DOUT): D502.2 D503.3
Net-(D503-DOUT): D503.2 D504.3
Net-(D504-DOUT): D504.2 D505.3
Net-(D505-DOUT): D505.2 D506.3
Net-(D506-DOUT): D506.2 D507.3
Net-(D507-DOUT): D507.2 D508.3
Net-(D508-DOUT): D508.2 D509.3
Net-(D509-DOUT): D509.2 D510.3
Net-(D510-DOUT): D510.2 D511.3
Net-(D511-DOUT): D511.2 D512.3
Net-(D512-DOUT): D512.2 D513.3
Net-(D513-DOUT): D513.2 D514.3
Net-(D514-DOUT): D514.2 D515.3
Net-(D515-DOUT): D515.2 D516.3
Net-(D516-DOUT): D516.2 D517.3
Net-(D517-DOUT): D517.2 D518.3
Net-(D518-DOUT): D518.2 D519.3
Net-(D519-DOUT): D519.2 D520.3
Net-(D520-DOUT): D520.2 D521.3
Net-(D521-DOUT): D521.2 D522.3
Net-(D522-DOUT): D522.2 D523.3
Net-(D523-DOUT): D523.2 D524.3
Net-(D1201-A): D1201.2 U1201.3
Net-(D1201-K): D1201.1 R1201.2
Net-(E501-A): C534.1 D525.1 E501.A1 R504.1 R508.1
Net-(E501-B): C533.1 D526.1 E501.B1 R505.1 R507.1
Net-(E501-NO): C503.1 D527.1 E501.2 R503.1 R506.1
Net-(IC501-VDDCORE): C528.1 IC501.43
Net-(J301-CC1): J301.A5 R303.1
Net-(J301-CC2): J301.B5 R302.1
Net-(R405-Pad2): R405.2 R406.1 R407.1
Net-(U402-PROG): R401.2 U402.6
Net-(U402-THERM): R405.1 U402.8
Net-(U801-BOOTN): R801.2 U801.4
Net-(U801-CAP): C801.1 U801.9
Net-(U1001-GAIN): TP1001.1 U1001.2
Net-(U1102-XCLK): TP1102.1 U1102.13 X1101.3
Net-(U1201-RX): TP1203.1 U1201.5
Net-(U1201-TX): TP1202.1 U1201.4
Net-(U1201-VBACKUP): C1203.1 C1204.1 U1201.9

Pads without a net: D524 2; IC501 1 2 7 8 19 20 28 30 37 38 39 41 47 48; J301 A8 B8 SH1 SH2 SH3 SH4; J701 22 23; J901 1 8 MP1 MP2 MP3 MP4; J1101 16 17 18 19 20; J1201 03 04 05 06 07 08 09 10 13 14 15 16 17 18 19 20; U201 28 29 30; U301 2; U402 7; U801 1 7 8 12 13 15 16 18 21 22 23 24; U1001 5 6 12 13; U1101 4; U1102 1; U1103 4; U1104 3 4 5 6; U1203 3 4 5 6; U1301 3 4 5 6

## Via types
v1: diameter 0.8, hole 0.4, Top to Bottom, 19 vias
v2: diameter 0.6, hole 0.3, Top to Bottom, 673 vias

## Routing (per net, layer and track width the routed paths; a pad name or vN(x,y) marks a point on that pad's centre or on a via; arc(x,y) is an arc through that point)
+1V5: length 26.9
  Top w0.2: v2(73.5,86.2) 73.38,86.32 TP1103.1
  Top w0.5: v2(73.5,86.2) U1103.5
  Bottom w0.3: U1102.10 63.55,89.55 66.28,86.82 72.88,86.82 v2(73.5,86.2)
+2V8: length 21.7
  Top w0.2: TP1101.1 v2(69.5,86.17)
  Top w0.5: U1101.5 v2(69.5,86.17)
  Bottom w0.3: v2(69.5,86.17) 65.53,86.17 65.15,86.55 U1102.4
+3V3: length 757
  Top w0.2: U1103.3 71.6,91.35 71.85,91.1 73.25,91.1 73.5,91.35 U1103.1 ; R1101.1 63.63,86.3 62.63,87.3 59.6,87.3 59.2,87.7 59.2,89.6 59.5,89.9 62.05,89.9 v2(62.6,90.45) ; U1101.3 67.6,91.3 67.8,91.1 69.3,91.1 69.5,91.3 U1101.1
  Top w0.3: 14.82,21.76 arc(14.84,22.64) C522.1 v2(13.42,23.73) ; 16.11,19.16 arc(15.98,19.77) C521.1 v2(17.39,20.59) ; 16.24,25.12 arc(16.43,25.72) C523.1 v2(18.06,25.73) ; 16.42,28.02 arc(16.88,28.77) C524.1 v2(16.19,30.42) ; 16.62,15.44 arc(16.16,16.27) C520.1 v2(14.37,16.54) ; 18.98,13.93 arc(18.56,14.4) C519.1 v2(19.37,15.81) ; 19.33,30.22 arc(19.8,30.64) C525.1 v2(21.21,29.83) ; 20.84,32.58 arc(21.67,33.04) C526.1 v2(21.94,34.83) ; 21.28,10.97 arc(20.47,11.45) C518.1 v2(18.78,10.79) ; 24.08,10.84 arc(23.48,11.03) C517.1 v2(23.47,12.66) ; 24.56,33.09 arc(25.17,33.22) C527.1 v2(25.99,31.81) ; D501.4 arc(27.98,34.24) 28.91,34.16 ; 27.55,9.42 arc(26.61,9.44) C516.1 v2(25.47,8.02) ; 30.04,10.71 arc(29.43,10.58) C515.1 v2(28.61,11.99) ; D502.4 arc(31.16,32.89) 31.76,32.66 ; D503.4 arc(34.06,32.25) 34.83,31.71 ; 33.76,11.22 arc(32.93,10.76) C514.1 v2(32.66,8.97) ; 35.27,13.58 arc(34.8,13.16) C513.1 v2(33.39,13.97) ; D504.4 arc(36.14,29.48) 36.54,28.99 ; D505.4 arc(38.33,27.48) 38.72,26.63 ; 38.23,15.88 arc(37.75,15.07) C512.1 v2(38.41,13.38) ; D508.4 arc(38.29,18.04) 38.06,17.44 ; 38.49,24.64 arc(38.62,24.03) C509.1 v2(37.21,23.21) ; D507.4 arc(39.64,21.22) 39.56,20.29 ; v1(20.75,54.15) 25.7,59.1 v2(25.7,59.37) ; v2(33.6,83.7) 27.95,78.05 ; 27.95,78.05 25.8,75.9 ; 27.95,78.05 28.7,78.8 v2(34.15,78.8) ; 73.8,59.52 74.22,59.1 C1201.1 ; 73.8,59.52 73.8,59.88 74.5,60.58 ; 73.8,59.52 73.33,59.05 73.33,59.1 ; 45.75,45 45.5,44.75 45.5,39 v2(45.6,38.9) ; 45.75,45 v1(45.75,51.2) ; 45.75,45 45.3,44.55 44.7,44.55 v2(43.95,45.3) ; C510.1 v2(41.18,20.07) ; v2(27.3,52.4) 27.3,51 25.2,48.9 ; 65.2,95.9 65,96.1 65,92.85 v2(62.6,90.45) ; 62.42,64.18 62.42,63.68 62.11,63.37 C1205.1 61.81,62.6 v2(61.5,62.6) ; C508.1 v2(40.23,27.26) ; C511.1 v2(36.54,18.07) ; v2(45.75,59) 45.75,57.65 ; 62.25,97.35 63.8,95.8 X1101.1 X1101.4 ; C504.1 v2(29.13,35.78) ; 43.15,62.2 v2(43.15,62.35) 43.25,62.45 43.25,63.75 41.35,65.65 38.25,65.65 37.5,64.9 36.4,64.9 33.9,67.4 v2(33.9,72.3) ; C506.1 v2(35.82,33.01) ; C507.1 v2(35.23,27.99) ; C505.1 v2(31.13,31.14) ; U1202.2 63.07,65.3 63.72,64.65 63.72,63.23 64.03,62.92 ; v2(65,62.6) 64.38,61.98 C1206.1 64.03,62.92 ; 63.65,86.29 R1101.1 ; 64.03,62.92 64.38,63.26 64.38,64.18 ; 18.5,51.9 18.5,50.6
  Top w0.4: 37.75,69.1 v2(36.65,69.1) ; 37.75,69.1 38.44,68.41 40.11,68.41 40.5,68.8 40.5,72.15 40.99,72.64 43.36,72.64 44.5,71.5 ; 37.75,69.1 39.35,70.7 39.35,79.95 v2(37.45,81.85) ; 44.5,71.5 43.75,70.75 42.31,70.75 41.75,70.19 v2(41.75,70.05) ; 44.5,71.5 45.4,71.5 45.7,71.2 45.7,74.2 v2(46.8,75.3) 46.8,76.25 43.35,79.7 43.35,81.6 v2(42.35,82.6) ; v2(38.41,13.38) 38.41,7.09 v2(41.75,3.75) ; 24.7,48.95 25.35,48.3 v2(25.5,48.3) ; 24.7,48.95 19.25,48.95 18.5,48.2 ; 24.7,48.95 27.51,48.95 v2(28.18,48.28) ; 18.5,45.7 v2(16.9,47.3)
  Top w0.5: 68.92,95.9 73.06,95.9 73.5,95.46 U1103.1 ; 68.92,95.9 69.5,95.33 U1101.1 ; 68.92,95.9 65.2,95.9 63.75,97.35 60.4,97.35 57.86,99.89 J1101.02 J1101.01 v2(50.58,99.89) ; v1(58.3,74.1) 58.29,74.09 J1201.02 J1201.01 ; v1(74.55,61.75) 74.55,60.63 74.5,60.58 ; J1303.01 TP1301.1 ; TP1301.1 65.35,19.4 J1302.1 ; TP1301.1 57.73,11.78 J1304.1 ; v1(20.75,54.15) 18.5,51.9
  Top w0.6: 44.8,58.6 43.15,60.25 v2(43.15,62.35) 45.7,64.9 v2(45.7,66.8) 45.7,71.2 ; v2(21.94,34.83) 21.94,34.86
  Top w0.8: v1(18.4,102.2) v1(18.4,96) 18.4,94.55 16.2,92.35 16.2,88.4 25.8,78.8 25.8,66.7 18.5,59.4 18.5,38.3 v2(21.3,35.5) 21.94,34.86 ; v1(45.75,51.2) v1(45.75,55.3) 45.75,57.65 44.8,58.6 40.3,58.6 38.3,56.6 38.3,52 37.3,51 37.3,45.9 40.5,42.7 40.5,37.68 v2(35.82,33.01)
  In1.Cu w0.8: v2(35.82,33.01) v2(31.13,31.14) v2(29.13,35.78) v2(25.99,31.81) v2(21.94,34.83) v2(21.3,35.5) ; v2(35.82,33.01) v2(35.23,27.99) v2(40.23,27.26) v2(37.21,23.21) v2(41.18,20.07) v2(36.54,18.07) v2(38.41,13.38) v2(33.39,13.97) v2(32.66,8.97) v2(28.61,11.99) v2(25.47,8.02) v2(23.47,12.66) v2(18.78,10.79) v2(19.37,15.81) v2(14.37,16.54) v2(17.39,20.59) v2(13.42,23.73) v2(18.06,25.73) v2(16.19,30.42) v2(21.21,29.83) ; v2(35.82,33.01) v2(36.5,33.7)
  Bottom w0.2: TP1204.1 75.3,61 v1(74.55,61.75)
  Bottom w0.254: U801.3 C803.1 43.55,62.75 v2(43.15,62.35) ; U801.28 43.45,64.53 44.46,65.54 C802.1 45.3,66.4 v2(45.7,66.8) ; IC501.17 41.65,71.55 41.53,71.43 41.53,71.32 41.65,71.2
  Bottom w0.3: R506.2 23.45,19.55 19.71,15.81 v2(19.37,15.81) ; v2(37.45,81.85) C529.1 IC501.36 ; J701.15 26.1,42.84 27.14,41.8 29.4,41.8 29.8,42.2 ; R904.1 26.79,50.49 v2(27.05,50.75) ; R403.1 46.09,39.68 R404.1 v2(45.6,38.9) ; v2(25.5,48.3) 26.02,48.3 R901.1 ; v2(61.5,62.6) 68.8,62.6 70.7,60.7 73.5,60.7 v1(74.55,61.75) ; R902.1 27.29,52.39 ; v2(42.35,82.6) 41.85,83.1 C531.1 R501.1 41.65,81.05 IC501.44 ; 34,72.3 34.15,72.45 R102.1 ; IC501.6 45.62,76.35 C502.1 46.85,76.07 ; 41.53,71.1 41.63,71.2 ; R1001.1 9.9,48.8 10.7,49.6 14,49.6 14.8,48.8 14.8,48.05 15.5,47.35 ; v2(45.75,59) 45.3,59.45 R801.1 ; 33.61,26.36 v2(35.23,27.99) ; 33.61,26.36 R508.2 ; 33.61,26.36 32.35,25.1 23.6,25.1 22.8,25.9 R507.2 ; R104.1 34.52,83.7 v2(33.6,83.7) ; v2(36.65,69.1) R107.1 ; C532.1 41.48,70.32 v2(41.75,70.05) 41.7,70.1 R108.1 ; v2(41.75,3.75) M601.2 ; R905.1 26.26,58.81 v2(25.7,59.37) ; U1102.23 52.85,96.05 52.2,96.7 52.2,99.2 51.5,99.9 50.5,99.9 ; U1102.11 62.2,90.05 v2(62.6,90.45) ; R103.1 34.15,79.99 v2(34.15,78.8) R101.1
  Bottom w0.4: v2(28.18,48.28) 28.66,47.8 C703.1 J701.6 ; 27.29,52.39 v2(27.3,52.4) ; R903.1 27.21,55.47 C901.1 25.88,55.28 25.7,55.1 D901.1 ; R402.1 32.35,42.38 C701.1 ; 46.85,76.07 46.85,75.35 v2(46.8,75.3) ; 13.1,45.75 13.05,45.7
  Bottom w0.5: 29.8,42.2 29.7,42.3 J701.3 ; 29.8,42.2 C701.1 32.53,41.5 C705.1 ; 29.8,42.2 29.1,42.9 J701.5 ; 13.3,44.4 13.3,45.1 13.05,45.35 13.05,46.75 13.65,47.35 16.85,47.35 v2(16.9,47.3) ; v2(21.3,35.5) 21.3,36.7 22.7,38.1 31.4,38.1 33.02,39.72 C705.1 ; v1(20.75,54.15) 21.7,55.1 J901.4 25,55.1 D901.1 ; C705.1 33.02,41.01 ; v1(74.55,61.75) 75.5,62.7 75.5,68.7 73.2,71 61.4,71 v1(58.3,74.1)
  Bottom w0.6: v2(38.41,7.39) 38.9,6.9 C601.1 M601.5
  Bottom w0.8: v1(18.4,96) 18.41,96.01 J101.01 J101.02 18.41,102.19 v1(18.4,102.2)
  vias: v1(45.75,53.3) v2(16.2,91.8) v2(16.2,91)
+5V: length 86.8
  Top w0.4: D301.5 v2(13.2,8.2)
  Top w0.6: v1(29.7,7.1) J301.B4_A9 ; J301.A4_B9 v1(24.9,7.05)
  Top w0.8: v2(38.3,46.65) 39.75,46.65 v2(41.4,45) v2(41.4,44) 44,44 v2(44.1,43.9) 44.55,43.45 v2(44.55,43.4) 44.55,38.45 46,37 46,5.1 41.8,0.9 34.9,0.9 32.55,3.25 30.45,3.25 v1(29.4,4.3)
  In1.Cu w0.254: v1(24.9,7.05) 23.7,8.25 23.7,9 22.6,10.1 15.1,10.1 v2(13.2,8.2)
  Bottom w0.3: v2(44.55,43.4) 44.9,43.75 TP301.1 ; 38.3,45.9 v2(38.3,46.65) ; 44.1,43.8 44.15,43.75
  vias: v1(25.2,4.3)
